# KiCad board yddraig68k.kicad_pcb (continued)
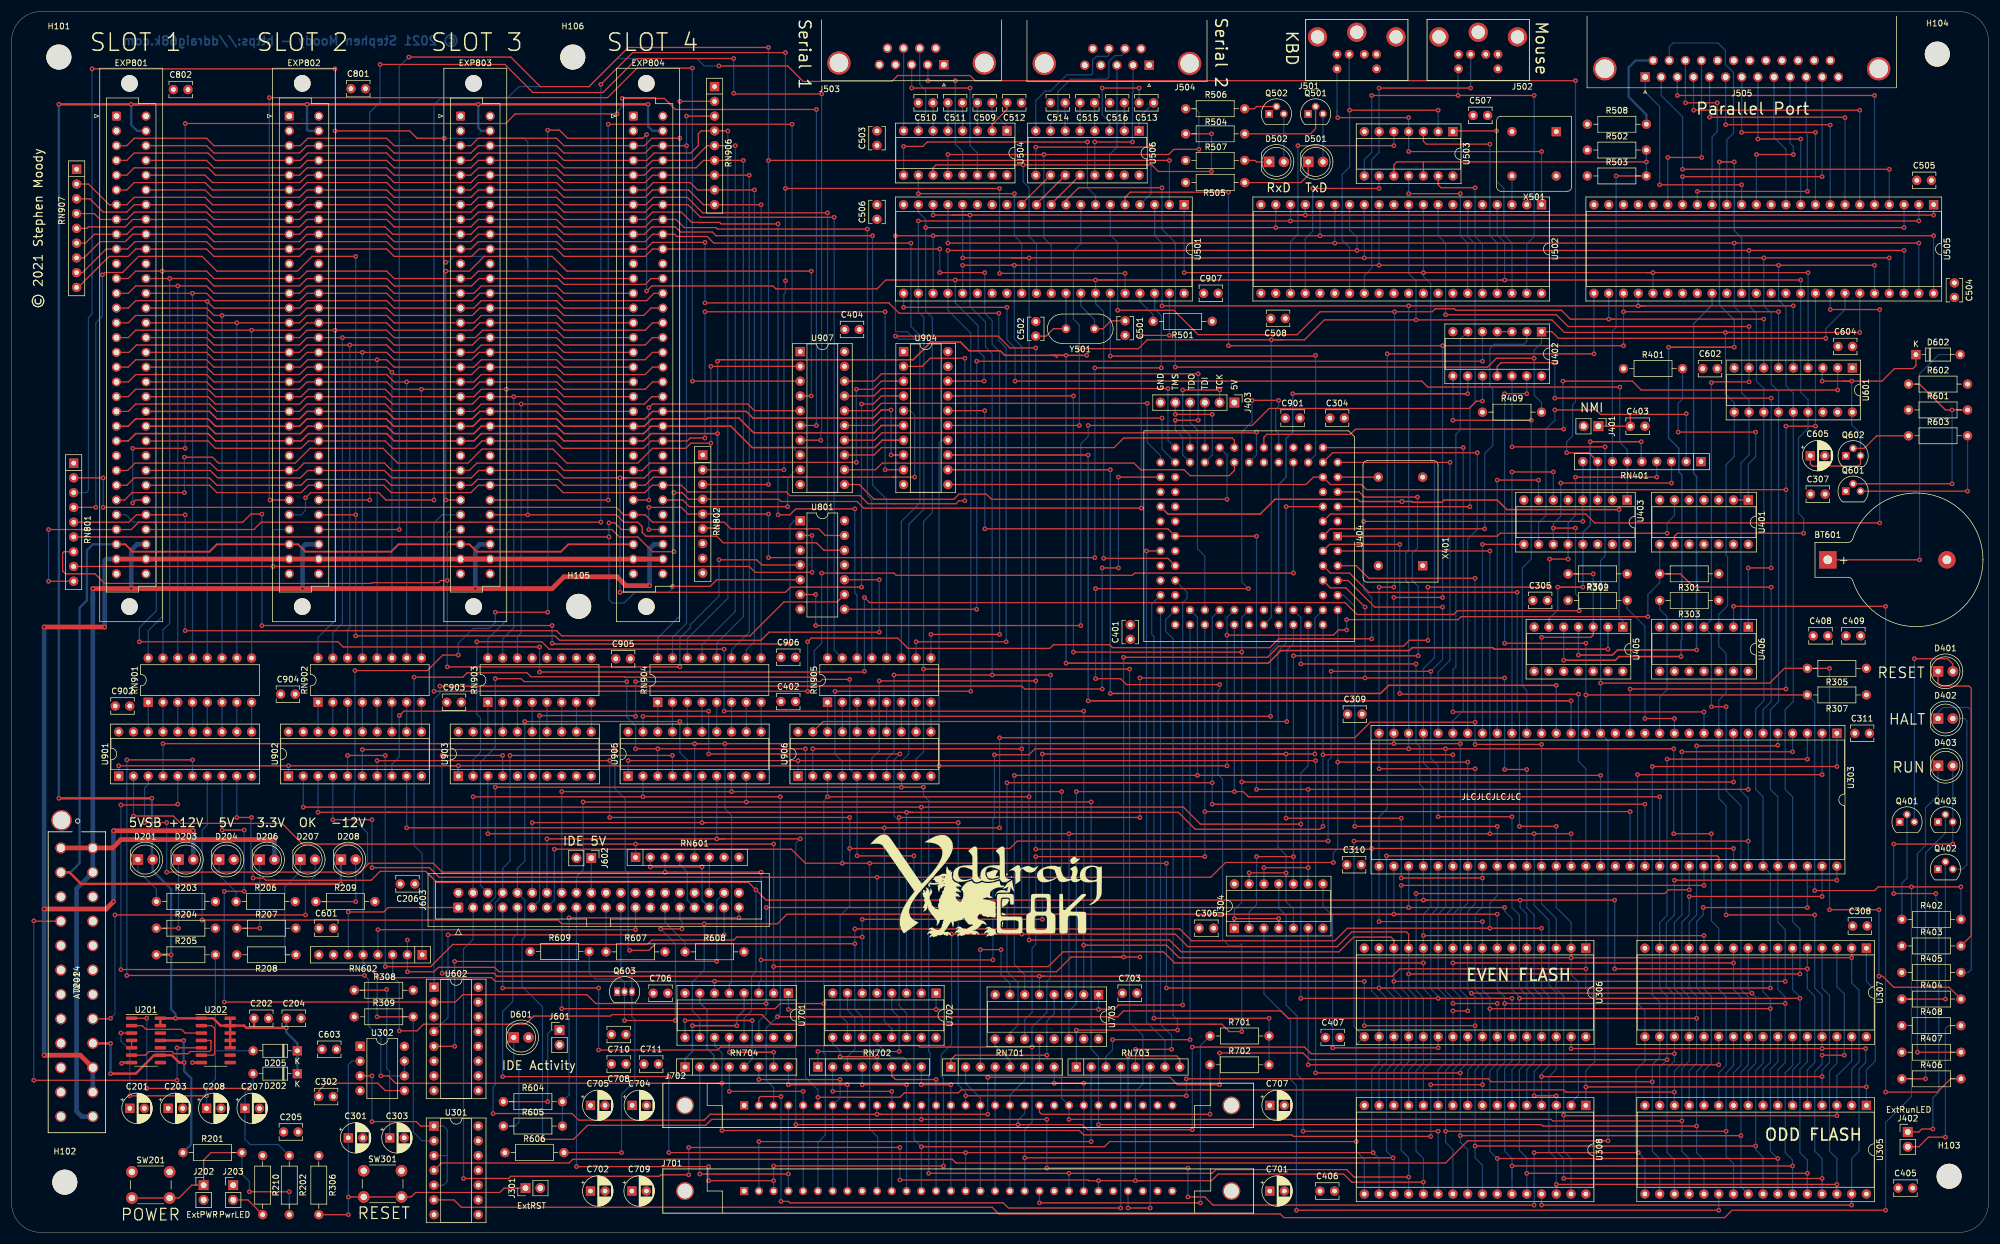
[diagram p0: board, top side]
## Routing (per net, layer and track width the routed paths; a pad name or vN(x,y) marks a point on that pad's centre or on a via; arc(x,y) is an arc through that point) (continued)
  Bottom w0.203: v1(202.31,6.1) v1(202.31,11.05) ; v1(279.65,78.74) 279.65,39.37 280.92,38.1 U307.17 280.92,29.46 279.4,27.94 279.4,14.1 v1(279.78,13.72) 280.92,12.57 U305.17 ; 261.87,8.13 v1(261.87,4.7) ; 261.87,8.13 v1(261.87,13.72) ; 261.87,8.13 261.87,8.38 ; v1(311.4,78.74) U303.2 ; v1(91.31,16) 91.31,38.78 87.8,42.3 87.8,50.3 88.27,50.77 88.27,57.15 J603.10 87,62.61 88.27,63.88 v1(88.27,87.88) ; v1(178.05,19.43) 178.05,11.05 v1(178.05,11.05) ; U905.5 116.21,81.28 114.94,82.55 v1(114.94,87.88) ; J702.13 v1(156.46,19.43)
/CPU, RAM and ROM/D4: length 377.5
  Top w0.203: 119.38,70.49 v1(162.81,70.49) ; 119.38,70.49 v1(89.53,70.49) ; 119.38,70.49 v1(118.75,70.49) ; v1(164.08,23.5) v1(202.06,23.5) ; v1(282.19,80.14) v1(313.94,80.14) ; v1(202.06,26.42) 254,26.42 254.51,25.91 v1(282.19,25.91)
  Bottom w0.203: 164.08,22.99 164.08,24.13 162.81,25.4 v1(162.81,70.49) ; 164.08,22.99 v1(164.08,23.5) ; 164.08,22.99 J702.16 ; U305.18 283.46,12.7 282.19,13.97 v1(282.19,25.91) 282.19,28.83 283.46,30.1 U307.18 283.46,39.62 282.19,40.89 v1(282.19,80.14) ; v1(202.06,23.5) v1(202.06,26.42) ; v1(89.53,70.49) J603.12 ; U905.6 v1(118.75,70.49) ; v1(313.94,80.14) U303.1
/CPU, RAM and ROM/D5: length 372.5
  Top w0.203: v1(121.28,67.69) 122.56,67.69 ; 122.56,67.69 v1(92.08,67.69) ; 122.56,67.69 v1(135.64,67.69) ; 174.12,18.54 v1(173.1,18.54) 173.1,18.54 ; 174.12,18.54 v1(134.87,18.54) ; 174.12,18.54 184.15,18.54 185.04,17.65 v1(203.07,17.65) ; v1(286,60.58) v1(313.94,60.58) ; v1(203.07,31.88) 222.38,31.88 223.52,30.73 v1(286,30.73)
  Bottom w0.203: v1(313.94,60.58) U303.64 ; 121.28,78.49 v1(121.28,67.69) ; 286,30.1 U307.19 286,40.89 284.61,42.29 284.61,53.21 286,54.61 v1(286,60.58) ; 286,30.1 286,29.46 284.73,28.19 284.73,13.78 286,12.51 U305.19 ; 286,30.1 v1(286,30.73) ; v1(203.07,31.88) v1(203.07,17.65) ; J702.20 174.24,20.45 173.1,19.3 v1(173.1,18.54) ; J603.14 v1(92.08,67.69) ; v1(134.87,18.54) 134.87,66.93 v1(135.64,67.69)
/CPU, RAM and ROM/D6: length 352.7
  Top w0.203: 124.71,75.82 v1(123.83,75.82) ; 124.71,75.82 v1(94.62,75.82) ; 124.71,75.82 180.59,75.82 v1(180.59,75.82) ; v1(288.54,57.79) 311.4,57.79 v1(311.4,57.78) ; v1(181.86,19.43) 264.8,19.43 265.05,19.18 v1(287.27,19.18)
  Bottom w0.203: U305.20 288.54,12.7 287.27,13.97 287.27,17.15 ; v1(94.62,75.82) J603.16 ; 287.27,17.15 287.27,28.19 288.54,29.46 U307.20 288.54,40.51 287.27,41.78 287.27,53.34 288.54,54.61 v1(288.54,57.79) ; 287.27,17.15 v1(287.27,19.18) ; v1(311.4,57.78) 311.4,57.79 U303.63 ; v1(180.59,75.82) 180.59,23.11 J702.23 v1(181.86,19.43) ; U905.8 v1(123.83,75.82)
/CPU, RAM and ROM/D7: length 344.2
  Top w0.203: v1(186.94,18.54) 263.14,18.54 263.4,18.29 v1(289.81,18.29) ; v1(290.96,55.88) v1(308.86,55.88) ; v1(98.3,74.04) v1(126.36,74.04) v1(185.67,74.04)
  Bottom w0.203: v1(186.94,18.54) 186.94,20.96 ; v1(185.67,74.04) 185.67,31.5 186.94,30.23 186.94,20.96 ; v1(98.3,74.04) 98.3,62.36 97.16,61.21 J603.18 ; 186.94,20.96 J702.25 ; U905.9 v1(126.36,74.04) ; U305.21 291.08,12.45 289.81,13.72 v1(289.81,18.29) 289.81,27.69 291.08,28.96 U307.21 291.08,40.77 289.81,42.04 289.81,53.47 290.96,54.61 v1(290.96,55.88) ; v1(308.86,55.88) U303.62
/CPU, RAM and ROM/D8: length 793.3
  Top w0.203: v1(131.06,8.89) v1(119.89,8.89) ; 171.96,166.37 v1(172.47,166.37) ; 171.96,166.37 v1(235.2,166.37) v1(303.91,166.37) v1(320.42,166.37) ; 171.96,166.37 v1(163.58,166.37) ; U306.13 240.28,51.31 239.9,51.69 230.5,51.69 227.97,49.15 202.31,49.15 200.15,51.31 v1(173.74,51.31) v1(161.67,51.31) ; v1(131.06,11.43) v1(160.27,11.43) ; v1(137.8,83.19) v1(173.74,83.19) ; v1(119.89,11.31) v1(97.16,11.31) ; v1(240.28,44.45) v1(307.59,44.45)
  Bottom w0.203: v1(303.91,166.37) 303.91,160.4 305.18,159.13 305.18,145.67 306.45,144.4 306.45,141.1 ; v1(172.47,166.37) 172.47,153.67 173.74,152.4 v1(173.74,83.19) v1(173.74,51.31) ; U505.44 v1(320.42,166.37) ; 240.28,46.23 v1(240.28,44.45) ; 240.28,46.23 U306.13 ; 240.28,46.23 240.28,41.78 241.55,40.51 241.55,29.21 240.28,27.94 240.28,22.35 ; 306.32,141.1 306.45,140.97 306.45,91.31 305.05,89.92 305.05,76.2 306.32,74.93 U303.61 306.32,53.47 307.59,52.2 v1(307.59,44.45) ; v1(119.89,8.89) v1(119.89,11.31) ; J603.17 v1(97.16,11.31) ; v1(160.27,11.43) 160.27,26.54 159.89,26.92 159.89,30.61 161.67,32.38 v1(161.67,51.31) ; v1(131.06,11.43) v1(131.06,8.89) J701.3 ; 137.8,78.49 v1(137.8,83.19) ; U502.12 v1(235.2,166.37) ; v1(163.58,166.37) U501.25
/CPU, RAM and ROM/D9: length 764.2
  Top w0.203: U306.14 237.74,50.29 237.24,50.8 230.82,50.8 228.28,48.26 201.17,48.26 199.14,50.29 v1(175.01,50.29) ; v1(163.58,167.64) 172.09,167.64 ; 172.09,167.64 v1(175.01,167.64) ; 172.09,167.64 v1(232.66,167.64) v1(301.37,167.64) v1(322.96,167.64) ; v1(175.01,74.93) v1(140.34,74.93) ; v1(94.62,38.48) 131.32,38.48 132.21,39.37 v1(139.7,39.37) ; v1(237.74,43.18) v1(305.05,43.18)
  Bottom w0.203: U306.14 237.74,45.21 ; 237.74,45.21 v1(237.74,43.18) ; 237.74,45.21 237.74,41.78 239.01,40.51 239.01,29.21 237.74,27.94 237.74,22.35 ; J701.6 138.68,15.49 139.95,16.76 139.95,30.61 139.7,30.86 v1(139.7,39.37) 139.7,74.29 v1(140.34,74.93) U906.3 ; U601.13 303.91,144.65 302.64,145.92 302.64,158.12 301.37,159.38 v1(301.37,167.64) ; v1(94.62,38.48) J603.15 ; v1(163.58,167.64) U501.16 ; v1(175.01,50.29) v1(175.01,74.93) v1(175.01,167.64) ; U505.45 v1(322.96,167.64) ; U502.13 v1(232.66,167.64) ; v1(305.05,43.18) 305.05,52.07 303.78,53.34 U303.60 303.78,74.93 302.51,76.2 302.51,89.92 303.91,91.31 303.91,140.97 303.78,141.1
/CPU, RAM and ROM/D10: length 767.8
  Top w0.203: v1(198.63,42.04) v1(235.2,42.04) 302.39,42.04 302.51,41.91 v1(302.51,42.04) ; v1(198.63,63.5) v1(147.57,63.5) v1(142.88,63.5) 136.53,63.5 134.11,65.91 v1(93.34,65.91) ; v1(161.04,168.91) v1(231.39,168.91) v1(298.83,168.91) v1(325.5,168.91) ; v1(164.97,93.09) v1(141.6,93.09)
  Bottom w0.203: U601.12 301.37,145.16 300.1,146.43 300.1,158.12 298.83,159.38 v1(298.83,168.91) ; 301.24,141.1 301.37,140.97 301.37,91.44 299.97,90.04 299.97,76.2 301.24,74.93 U303.59 302.51,61.72 v1(302.51,42.04) ; J701.10 148.97,7.11 148.97,16.38 147.57,17.78 147.57,27.94 147.58,27.96 147.58,63.49 v1(147.57,63.5) ; v1(142.88,63.5) U906.4 142.88,81.03 141.6,82.3 v1(141.6,93.09) ; 235.2,22.35 235.2,27.94 236.47,29.21 236.47,40.39 235.2,41.66 v1(235.2,42.04) U306.15 ; v1(161.04,168.91) U501.24 161.04,158.62 164.97,154.69 v1(164.97,93.09) ; v1(93.34,65.91) 93.34,57.15 J603.13 ; 325.5,161.54 v1(325.5,168.91) ; v1(231.39,168.91) 231.39,171.2 230.12,172.47 U502.14 ; v1(198.63,63.5) v1(198.63,42.04)
/CPU, RAM and ROM/D11: length 695.2
  Top w0.203: v1(161.04,170.18) v1(227.58,170.18) v1(296.29,170.18) v1(328.04,170.18) ; v1(156.46,14.73) 187.96,14.73 188.85,15.62 v1(231.27,15.62) ; v1(144.15,95.12) 139.45,95.12 139.06,94.74 v1(107.31,94.74) ; v1(107.31,88.77) 107.19,88.9 v1(90.81,88.9) ; v1(155.19,64.77) v1(145.41,64.77) ; v1(298.7,67.31) v1(230.89,67.31)
  Bottom w0.203: v1(161.04,170.18) U501.17 ; v1(144.15,95.12) 144.15,79.76 U906.5 145.41,64.77 v1(145.41,64.77) ; v1(230.89,67.31) 230.89,35.43 U306.17 231.27,32.26 v1(231.27,15.62) 231.27,13.97 232.66,12.57 232.66,7.11 ; U505.47 v1(328.04,170.18) ; v1(90.81,88.9) 90.81,57.15 J603.11 ; v1(107.31,88.77) v1(107.31,94.74) ; U303.58 v1(298.7,67.31) 298.7,74.68 297.43,75.95 297.43,132.33 298.83,133.73 298.83,140.97 298.7,141.1 ; J701.13 v1(156.46,14.73) 155.19,16 v1(155.19,64.77) ; U601.11 298.83,143.13 297.56,144.4 297.56,157.99 296.29,159.26 v1(296.29,170.18) ; U502.15 v1(227.58,170.18)
/CPU, RAM and ROM/D12: length 767.5
  Top w0.203: 159.26,171.45 v1(158.5,171.45) ; 159.26,171.45 v1(152.02,171.45) ; 159.26,171.45 v1(330.58,171.45) ; v1(176.15,94.87) v1(149.22,94.87) ; v1(113.03,13.72) v1(164.08,13.72) v1(234.19,13.72) ; v1(296.16,66.04) v1(233.93,66.04) 233.93,65.91 v1(176.15,65.91) ; v1(84.46,26.8) v1(113.03,26.8) ; v1(152.02,154.18) 169.67,154.18 171.7,152.15 v1(176.15,152.15)
  Bottom w0.203: 147.96,78.49 147.96,81.53 149.22,82.8 v1(149.22,94.87) ; v1(113.03,26.8) v1(113.03,13.72) ; v1(152.02,154.18) 152.53,153.67 155.32,153.67 154.05,154.94 152.02,154.94 v1(152.02,171.45) ; v1(296.16,66.04) U303.57 ; 234.57,13.34 233.93,13.97 233.93,27.94 235.2,29.21 U306.18 235.2,40.26 233.93,41.53 233.93,65.53 ; 234.57,13.34 235.2,12.7 235.2,7.11 ; 234.57,13.34 v1(234.19,13.72) ; J701.16 v1(164.08,13.72) ; v1(84.46,26.8) 84.46,37.97 86.19,39.71 86.19,50.59 87,51.4 J603.9 ; 233.93,65.53 v1(233.93,66.04) ; 233.93,65.53 233.93,65.91 ; v1(176.15,65.91) v1(176.15,94.87) v1(176.15,152.15) ; U502.16 v1(225.04,171.45) ; v1(158.5,171.45) U501.23 ; U505.48 v1(330.58,171.45)
/CPU, RAM and ROM/D13: length 698.2
  Top w0.203: v1(174.24,12.83) v1(237.62,12.83) ; v1(151.77,95.88) v1(168.66,95.88) v1(178.69,95.88) ; 221.36,175.01 v1(222.5,175.01) ; 221.36,175.01 161.8,175.01 ; 221.36,175.01 v1(330.58,175.01) ; U303.56 293.62,64.52 293.37,64.77 v1(236.47,64.77) ; 161.8,175.01 v1(158.5,175.01) ; 161.8,175.01 v1(164.85,175.01) ; v1(84.46,42.04) v1(100.97,42.04) ; v1(100.97,31.37) 121.41,31.37 121.92,31.88 134.75,31.88 135,32.13 155.96,32.13 156.21,31.88 v1(175.51,31.88)
  Bottom w0.203: v1(168.66,95.88) 168.66,151.13 167.51,152.27 167.51,156.59 164.85,159.26 v1(164.85,175.01) ; v1(100.97,42.04) v1(100.97,31.37) ; J701.20 174.24,9.78 ; 174.24,9.78 v1(174.24,12.83) ; 174.24,9.78 174.24,17.65 175.51,18.92 v1(175.51,31.88) 175.51,35.31 178.05,37.85 178.05,43.18 178.69,43.81 v1(178.69,95.88) ; U505.1 v1(330.58,175.01) ; v1(236.47,64.77) 236.47,41.78 237.74,40.51 U306.19 237.74,29.15 236.47,27.88 236.47,13.97 v1(237.62,12.83) 237.74,12.7 237.74,7.11 ; v1(222.5,175.01) U502.17 ; U906.7 150.5,81.41 151.77,82.68 v1(151.77,95.88) ; J603.7 v1(84.46,42.04) ; v1(158.5,175.01) U501.18
/CPU, RAM and ROM/D14: length 634.9
  Top w0.203: v1(291.08,59.69) v1(239.01,59.69) ; v1(156.84,76.58) v1(153.03,76.58) v1(83.19,76.58) ; v1(240.28,9.53) 230.89,9.53 229.62,10.79 207.14,10.79 206.5,10.16 v1(181.86,10.16) v1(157.73,10.16) ; v1(155.96,173.99) v1(219.96,173.99) v1(328.04,173.99)
  Bottom w0.203: v1(156.84,76.58) 156.84,75.18 157.73,74.29 157.73,31.12 157.99,30.86 157.99,27.18 157.73,26.92 v1(157.73,10.16) ; U505.2 v1(328.04,173.99) ; v1(83.19,76.58) 83.19,57.66 81.91,56.39 J603.5 ; U502.18 v1(219.96,173.99) ; J701.23 v1(181.86,10.16) ; U303.55 v1(291.08,59.69) ; 240.28,7.11 v1(240.28,9.53) 240.28,12.83 239.01,14.1 239.01,28.07 240.28,29.34 U306.20 240.28,40.64 239.01,41.91 v1(239.01,59.69) ; v1(155.96,173.99) U501.22 155.96,158.37 156.9,157.43 156.9,124.39 154.31,121.79 154.31,82.3 153.03,81.03 U906.8 v1(153.03,76.58)
/CPU, RAM and ROM/D15: length 732.8
  Top w0.203: 283.85,58.29 284.35,58.29 284.99,58.93 v1(288.54,58.93) ; 283.85,58.29 283.97,58.29 ; 283.85,58.29 v1(241.55,58.29) ; 194.56,8.89 206.38,8.89 207.52,10.03 229.11,10.03 230.5,8.64 v1(242.82,8.64) ; 194.56,8.89 v1(193.29,8.89) ; 194.56,8.89 v1(186.94,8.89) 185.29,8.89 185.17,9.02 v1(152.78,9.02) ; v1(116.46,14.6) v1(152.78,14.6) ; v1(157.23,172.85) v1(217.42,172.85) v1(325.5,172.85) ; v1(116.46,9.91) 111.63,9.91 111.38,9.65 85.85,9.65 85.47,9.27 v1(77.72,9.27) ; v1(156.84,96.9) v1(192.28,96.9)
  Bottom w0.203: v1(192.28,96.9) 192.28,36.19 194.56,33.91 194.56,25.53 193.29,24.26 v1(193.29,8.89) ; 242.82,7.11 v1(242.82,8.64) 242.82,12.7 241.55,13.97 241.55,27.81 242.82,29.08 U306.21 242.82,40.39 241.57,41.64 241.57,58.27 v1(241.55,58.29) ; 155.58,78.49 155.58,81.41 156.84,82.68 v1(156.84,96.9) 156.84,122.3 158.37,123.82 158.37,157.35 157.23,158.5 v1(157.23,172.85) 157.23,174.24 155.96,175.51 U501.19 ; 325.5,176.78 v1(325.5,172.85) ; U303.54 v1(288.54,58.93) ; v1(152.78,14.6) v1(152.78,9.02) ; v1(77.72,9.27) 77.72,48.77 79.38,50.42 J603.3 ; J701.25 v1(186.94,8.89) ; v1(116.46,9.91) v1(116.46,14.6) ; U502.19 v1(217.42,172.85)
/CPU, RAM and ROM/E: length 152
  Top w0.25: v1(265.68,94.11) 236.86,94.11 235.46,92.71 v1(188.98,92.71) ; U904.12 v1(188.98,131.19)
  Bottom w0.25: v1(188.98,131.19) v1(188.98,92.71) ; v1(265.68,94.11) U303.20
/CPU, RAM and ROM/FC0: length 66.8
  Top w0.203: v1(247.4,132.46) U404.11
  Bottom w0.203: U303.28 245.36,96.39 247.4,98.43 v1(247.4,132.46)
/CPU, RAM and ROM/FC1: length 74
  Top w0.203: U404.12 v1(249.68,135)
  Bottom w0.203: v1(249.68,135) 249.68,89.79 247.9,88.01 U303.27
/CPU, RAM and ROM/FC2: length 76.2
  Top w0.203: U404.13 227.2,134.11 v1(252.1,134.11)
  Bottom w0.203: v1(252.1,134.11) 252.1,120.9 250.44,119.25 U303.26
/CPU, RAM and ROM/RD~{WR}: length 557.4
  Top w0.203: U904.15 v1(183.64,138.81) ; v1(316.48,4.7) v1(263.14,4.7) ; v1(294.77,154.81) 296.55,154.81 ; 296.55,154.81 v1(317.88,154.81) ; 296.55,154.81 267.08,154.81 264.92,156.97 v1(241.55,156.97) 225.81,156.97 222.38,153.54 218.57,153.54 ; v1(318.9,31.62) v1(311.4,31.62) v1(268.22,31.62) ; v1(216.66,153.54) 218.57,153.54 ; 218.57,153.54 195.33,153.54 193.8,152.02 v1(183.64,152.02) ; v1(310.13,54.61) v1(294.89,54.61)
  Bottom w0.203: v1(294.77,154.81) 294.77,144.27 296.29,142.75 U601.10 296.29,133.48 294.89,132.08 294.89,116.46 295.15,116.21 295.15,107.82 293.62,106.3 U406.3 293.62,100.84 294.89,99.57 294.89,92.84 293.62,91.57 U303.9 293.62,74.68 294.89,73.41 v1(294.89,54.61) ; U404.66 216.66,105.79 v1(216.66,153.54) ; v1(311.4,31.62) U307.29 311.4,40.77 310.13,42.04 v1(310.13,54.61) ; v1(241.55,156.97) 241.55,163.7 240.28,164.97 U502.10 ; v1(316.48,4.7) U305.31 316.48,12.7 317.75,13.97 317.75,28.07 318.9,29.21 v1(318.9,31.62) ; U501.8 183.9,170.05 182.63,168.78 182.63,157.1 183.64,156.08 v1(183.64,152.02) v1(183.64,138.81) ; v1(263.14,4.7) U308.29 ; v1(317.88,154.81) U505.43 ; U306.31 v1(268.22,31.62)
/CPU, RAM and ROM/RESET: length 37.2
  Top w0.203: v1(61.98,19.05) 69.6,19.05 70.36,18.29 U301.1 ; v1(61.98,26.92) U302.3
  Bottom w0.203: 74.93,13.34 74.93,8.76 74.3,8.13 U301.5 ; 74.93,13.34 74.93,17.65 74.3,18.29 U301.1 ; 74.93,13.34 74.8,13.21 U301.3 ; v1(61.98,19.05) v1(61.98,26.92)
/CPU, RAM and ROM/~{AS}: length 416.4
  Top w0.203: v1(302.64,111) 289.31,111 287.02,113.28 R301.2 ; v1(209.04,80.26) v1(159.51,80.26) 75.56,80.26 ; v1(229.62,105.41) 248.79,105.41 249.3,105.92 v1(281.43,105.92) ; v1(18.41,80.26) v1(47.62,80.26) 75.56,80.26 ; v1(229.62,103.63) 228.22,103.63 227.33,102.74 v1(209.04,102.74) ; 75.56,80.26 v1(76.84,80.26)
  Bottom w0.203: v1(18.41,80.26) U901.1 ; 209.04,103.38 209.04,105.79 U404.63 ; 209.04,103.38 v1(209.04,102.74) ; 209.04,103.38 v1(209.04,80.26) ; v1(159.51,80.26) 159.51,135.89 159.89,136.27 U904.14 ; v1(302.64,111) 302.64,91.31 301.24,89.92 U303.6 ; U903.1 v1(76.84,80.26) ; U401.8 R301.2 283.46,111.76 281.43,109.73 v1(281.43,105.92) ; v1(229.62,103.63) v1(229.62,105.41) ; U902.1 v1(47.62,80.26)
/CPU, RAM and ROM/~{BERR}: length 75.9
  Top w0.203: v1(261.37,139.7) v1(247.9,139.7)
  Bottom w0.203: v1(261.37,139.7) 261.37,115.82 259.84,114.3 259.84,93.98 260.6,93.22 U303.22 ; v1(247.9,139.7) U402.8
/CPU, RAM and ROM/~{CPU_RESET}: length 492.4
  Top w0.203: R307.2 v1(270.76,92.46) ; v1(335.28,59.44) v1(326.77,59.44) 321.06,59.44 320.42,58.8 v1(310.13,58.8) ; U301.6 76.07,5.59 77.34,4.32 168.66,4.32 169.8,3.18 218.19,3.18 218.82,2.54 294.64,2.54 295.91,3.81 v1(322.33,3.81) ; v1(270.76,101.35) v1(256.79,101.35) ; v1(256.79,144.27) v1(260.6,144.27)
  Bottom w0.203: v1(260.6,144.27) U402.13 ; v1(270.76,92.46) 270.76,92.58 270.76,91.82 ; v1(326.77,59.44) 326.77,23.37 322.33,18.92 v1(322.33,3.81) ; v1(310.13,58.8) 310.13,91.19 R307.2 ; 270.76,91.82 U303.18 ; 270.76,91.82 v1(270.76,101.35) ; v1(335.28,59.44) R402.2 ; v1(256.79,101.35) v1(256.79,144.27)
/CPU, RAM and ROM/~{CS_ROM}: length 122.1
  Top w0.203: U404.7 231.77,127.38 232.66,126.49 v1(241.81,126.49) ; v1(220.47,99.19) v1(241.94,99.19) ; v1(214.12,64.64) v1(220.47,64.64)
  Bottom w0.203: v1(220.47,99.19) v1(220.47,64.64) U304.10 ; U304.2 212.85,55.12 214.12,56.39 v1(214.12,64.64) ; v1(241.81,126.49) 241.81,117.73 240.92,116.84 240.92,112.14 241.94,111.12 v1(241.94,99.19)
/CPU, RAM and ROM/~{CS_SRAM}: length 88.8
  Top w0.203: v1(212.85,61.85) v1(219.2,61.85) ; U404.6 v1(219.2,124.84)
  Bottom w0.203: U304.5 220.47,55.63 219.2,56.9 v1(219.2,61.85) 219.2,64.9 217.81,66.29 217.81,99.95 219.2,101.35 v1(219.2,124.84) ; U304.13 v1(212.85,61.85)
/CPU, RAM and ROM/~{DTACK}: length 113.3
  Top w0.203: v1(291.08,89.53) v1(247.9,89.53)
  Bottom w0.203: v1(247.9,89.53) 247.9,96.77 248.41,97.28 248.41,137.29 249.17,138.05 249.17,153.67 U402.6 ; v1(291.08,89.53) U303.10
/CPU, RAM and ROM/~{HALT}: length 471.5
  Top w0.203: R404.2 333.25,42.16 323.72,42.16 321.82,44.07 v1(321.18,44.07) ; U301.4 73.91,11.94 95.88,11.94 96.52,12.57 161.8,12.57 162.43,11.94 246.63,11.94 250.44,15.75 v1(274.57,15.75) ; v1(312.67,97.03) R305.2 304.93,97.03 302.39,94.49 v1(273.3,94.49) ; v1(258.06,135.13) v1(274.07,135.13) ; v1(321.18,55.5) v1(312.67,55.5)
  Bottom w0.203: 273.3,93.6 273.3,115.57 274.07,116.33 v1(274.07,135.13) ; 273.3,93.6 U303.17 274.57,84.58 v1(274.57,15.75) ; 273.3,93.6 v1(273.3,94.49) ; v1(321.18,55.5) v1(321.18,44.07) ; v1(312.67,55.5) v1(312.67,97.03) ; v1(258.06,135.13) U402.12
/CPU, RAM and ROM/~{IPL0}: length 39.6
  Top w0.203: v1(252.98,118.36) U403.9
  Bottom w0.203: U303.25 v1(252.98,118.36)
/CPU, RAM and ROM/~{IPL1}: length 54.1
  Top w0.203: v1(255.52,129.41) v1(262.64,129.41)
  Bottom w0.203: v1(262.64,129.41) U403.7 ; U303.24 v1(255.52,129.41)
/CPU, RAM and ROM/~{IPL2}: length 56.9
  Top w0.203: v1(265.18,130.81) v1(258.06,130.81)
  Bottom w0.203: v1(258.06,130.81) U303.23 ; v1(265.18,130.81) U403.6
/CPU, RAM and ROM/~{LDS}: length 252.6
  Top w0.203: 161.04,143.89 v1(182.63,143.89) ; v1(217.93,53.97) v1(210.31,53.97) ; v1(182.63,99.82) v1(211.58,99.82) ; v1(296.16,77.47) v1(211.58,77.47)
  Bottom w0.203: U404.65 211.58,105.79 v1(211.58,99.82) v1(211.58,77.47) 211.58,56.77 210.31,55.5 v1(210.31,53.97) U304.1 ; v1(182.63,143.89) v1(182.63,99.82) ; U304.4 v1(217.93,53.97) ; U303.8 v1(296.16,77.47)
/CPU, RAM and ROM/~{RD}WR: length 512.6
  Top w0.203: v1(246.63,157.86) 265.68,157.86 267.72,155.83 v1(298.83,155.83) ; v1(224.28,81.15) v1(135.25,81.15) v1(106.05,81.15) ; v1(292.35,146.18) 292.48,146.3 v1(298.83,146.3) ; v1(294.89,90.42) v1(292.35,90.42) ; v1(224.28,27.43) v1(249.17,27.43) ; v1(297.43,16.64) v1(249.17,16.64)
  Bottom w0.203: v1(224.28,81.15) v1(224.28,27.43) ; v1(292.35,146.18) 292.35,105.41 U406.4 ; U406.4 292.35,102.87 v1(292.35,90.42) ; U406.4 291.21,104.01 ; v1(298.83,155.83) U601.8 v1(298.83,146.3) ; U906.1 v1(135.25,81.15) ; U305.24 297.43,7.87 v1(297.43,16.64) 297.43,27.56 298.7,28.83 U307.24 298.7,40.51 297.43,41.78 297.43,73.41 294.89,75.95 v1(294.89,90.42) ; U905.1 v1(106.05,81.15) ; 250.44,7.11 250.44,14.22 249.17,15.49 v1(249.17,16.64) v1(249.17,27.43) 249.17,27.94 250.44,29.21 U306.24 ; U502.8 245.36,171.45 246.63,170.18 v1(246.63,157.86)
/CPU, RAM and ROM/~{RESET}: length 633
  Top w0.203: U401.9 286,119.76 286.51,120.27 v1(308.23,120.27) ; v1(109.22,188.85) 108.59,188.21 107.95,188.21 ; 189.36,163.83 v1(186.44,163.83) ; 189.36,163.83 v1(162.31,163.83) 150.37,163.83 148.84,162.31 131.44,162.31 130.94,162.81 110.11,162.81 v1(109.22,161.93) ; 189.36,163.83 256.03,163.83 ; v1(92.2,189.61) 94.23,189.61 95.63,188.21 107.95,188.21 ; v1(92.2,106.68) v1(83.19,106.68) ; v1(167.26,146.43) U904.18 ; v1(62.87,37.08) R309.2 ; 256.03,163.83 v1(307.72,163.83) ; 256.03,163.83 v1(256.79,163.83) ; U404.48 198.88,115.95 v1(187.83,115.95) ; 107.95,188.21 108.46,188.21 ; v1(59.05,96.65) 71.5,96.65 74.17,99.31 v1(76.84,99.31)
  Bottom w0.203: v1(256.79,163.83) 256.79,170.31 255.52,171.58 U502.4 ; v1(109.22,188.85) v1(109.22,161.93) ; 186.56,159.64 186.82,159.38 ; 186.82,159.38 186.44,159.77 U501.34 v1(186.44,163.83) ; 186.82,159.38 187.83,158.37 v1(187.83,115.95) ; U301.2 70.61,15.75 69.09,17.27 R309.2 ; v1(62.87,37.08) 62.87,44.07 60.45,46.48 RN602.5 60.45,62.87 61.21,63.63 61.21,68.71 58.93,70.99 58.93,76.2 59.05,76.33 v1(59.05,96.65) ; v1(308.23,120.27) 308.23,122.81 307.34,123.7 307.34,136.65 308.99,138.3 U601.15 308.99,143.26 307.72,144.53 U505.39 v1(307.72,163.83) ; v1(76.84,99.31) 76.84,101.35 79.38,103.89 82.17,103.89 83.19,104.9 v1(83.19,106.68) ; v1(92.2,106.68) v1(92.2,189.61) ; v1(167.26,146.43) 167.26,150.62 166.24,151.64 166.24,155.96 162.31,159.89 v1(162.31,163.83)
/CPU, RAM and ROM/~{UDS}: length 238.9
  Top w0.203: v1(215.39,62.74) v1(223.01,62.74) ; v1(214.12,119.76) U404.44 198.88,121.03 v1(167.39,121.03) ; v1(298.7,76.2) v1(223.01,76.2) v1(214.12,76.2) ; v1(167.39,141.35) U904.16
  Bottom w0.203: v1(223.01,76.2) 223.01,62.23 ; 223.01,62.23 U304.9 ; 223.01,62.23 v1(223.01,62.74) ; v1(214.12,76.2) v1(214.12,119.76) ; v1(167.39,121.03) v1(167.39,141.35) ; U303.7 v1(298.7,76.2) ; U304.12 v1(215.39,62.74)
/CPU, RAM and ROM/~{VMA}: length 155.1
  Top w0.25: v1(268.22,91.44) v1(185.17,91.44) ; U904.13 v1(185.17,133.73)
  Bottom w0.25: v1(185.17,133.73) v1(185.17,91.44) ; v1(268.22,91.44) U303.19
/CPU, RAM and ROM/~{VPA}: length 40.5
  Top w0.203: R302.2 v1(272.03,113.28) ; v1(263.14,102.36) 271.65,102.36 272.03,102.74 U405.3
  Bottom w0.203: 263.14,94.74 263.14,94.87 ; 263.14,94.74 U303.21 ; 263.14,94.74 v1(263.14,102.36) ; v1(272.03,113.28) U405.3
/Decode and Logic/BOOTROM: length 63.1
  Top w0.203: v1(284.73,120.27) 256.03,120.27 255.52,119.76 U404.1
  Bottom w0.203: v1(284.73,120.27) 284.73,122.05 286,123.32 U401.6
/Decode and Logic/~{CPLD_BERR}: length 71.7
  Top w0.25: 249.81,144.27 250.19,144.27 ; 249.81,144.27 v1(250.44,144.27) ; 249.81,144.27 v1(220.35,144.27)
  Bottom w0.25: v1(250.44,144.27) U402.9 ; U404.69 217.93,128.65 219.2,129.92 219.2,136.53 220.35,137.67 v1(220.35,144.27)
/Decode and Logic/~{CPLD_VPA}: length 103.4
  Top w0.25: 270,124.33 v1(276.48,124.33) ; 270,124.33 270.64,124.33 ; 270,124.33 257.18,124.33 255.52,125.98 246.38,125.98 246,125.6 240.92,125.6 240.79,125.73 238.38,125.73 ; U404.39 198.88,123.57 214.76,123.57 217.3,126.11 231.52,126.11 231.9,125.73 238.38,125.73 ; 238.38,125.73 v1(239.14,125.73)
  Bottom w0.25: U405.1 277.11,105.19 276.48,105.82 v1(276.48,124.33)
/Decode and Logic/~{CS_DUART}: length 65.1
  Top w0.203: v1(188.98,150.75) 224.16,150.75 v1(224.28,150.88)
  Bottom w0.203: U501.35 v1(188.98,150.75) ; v1(224.28,150.88) 224.28,133.73 U404.15
/Decode and Logic/~{CS_EXTDATA1}: length 77.2
  Top w0.203: v1(214.12,137.67) 214,137.54 149.67,137.54 148.4,136.27 U907.14
  Bottom w0.203: U404.23 214.12,133.73 v1(214.12,137.67)
/Decode and Logic/~{CS_EXTDATA2}: length 69.7
  Top w0.203: U907.13 148.34,133.73 149.61,135 189.61,135 191.26,136.65 209.93,136.65 210.31,136.27 U404.24
/Decode and Logic/~{CS_EXTDATA3}: length 70.2
  Top w0.203: U907.12 148.59,131.19 149.73,132.33 193.04,132.33 194.18,131.19 201.68,131.19 202.69,130.18 209.43,130.18 210.31,131.06 U404.25
/Decode and Logic/~{CS_EXTDATA4}: length 77
  Top w0.203: v1(209.04,126.11) 168.53,126.11 167.64,127 162.94,127 162.05,126.11 148.34,126.11 145.8,128.65 U907.11
  Bottom w0.203: U404.26 209.04,133.73 v1(209.04,126.11)
/Decode and Logic/~{CS_EXTREG1}: length 81.6
  Top w0.203: v1(204.09,139.7) v1(200.15,139.7) ; U907.18 148.34,146.43 149.61,147.7 v1(204.09,147.7)
  Bottom w0.203: v1(200.15,139.7) 200.15,138.05 201.42,136.78 201.42,133.73 U404.31 ; v1(204.09,147.7) v1(204.09,139.7)
/Decode and Logic/~{CS_EXTREG2}: length 66.8
  Top w0.203: v1(198.88,145.16) 149.61,145.16 148.34,143.89 143.26,143.89
  Bottom w0.203: v1(198.88,145.16) 198.88,136.27 U404.32
/Decode and Logic/~{CS_EXTREG3}: length 63.7
  Top w0.203: v1(195.33,142.62) 149.61,142.62 148.34,141.35 U907.16
  Bottom w0.203: v1(195.33,142.62) 195.33,135.89 197.61,133.6 U404.33
/Decode and Logic/~{CS_EXTREG4}: length 63.7
  Top w0.203: U907.15 148.21,138.81 149.48,140.08 v1(197.87,140.08)
  Bottom w0.203: U404.34 197.87,134.75 v1(197.87,140.08)
/Decode and Logic/~{CS_IDE}: length 212.8
  Top w0.203: v1(187.58,93.47) 174.24,93.47 173.74,93.98 v1(73.66,93.98) ; v1(190.37,129.92) U404.35 ; v1(187.58,114.3) v1(190.37,114.3)
  Bottom w0.203: v1(190.37,114.3) v1(190.37,129.92) ; U602.1 72.64,91.69 73.66,92.71 v1(73.66,93.98) ; v1(187.58,93.47) v1(187.58,114.3)
/Decode and Logic/~{CS_KBD}: length 75.6
  Top w0.203: v1(250.82,124.84) U404.5
  Bottom w0.203: U502.6 250.44,171.32 251.71,170.05 251.71,142.88 250.82,141.99 v1(250.82,124.84)
/Decode and Logic/~{CS_PIT}: length 144.9
  Top w0.203: v1(321.31,122.05) 272.29,122.05 270.76,123.57 226.82,123.57 U404.4 ; v1(321.31,158.75) v1(312.8,158.75)
  Bottom w0.203: v1(312.8,158.75) 312.8,161.54 ; v1(321.31,122.05) v1(321.31,158.75)
/Decode and Logic/~{CS_RTC}: length 113.9
  Top w0.203: v1(266.95,138.18) 231.14,138.18 230.25,137.29 215.9,137.29 215.39,136.78 U404.20 ; v1(314.07,144.91) 280.29,144.91 278.76,146.43 v1(266.83,146.43)
  Bottom w0.203: 314.07,148.72 v1(314.07,144.91) ; v1(266.83,146.43) 266.83,138.3 v1(266.95,138.18)
/Decode and Logic/~{DATCK_68K}: length 185.7
  Top w0.203: v1(261.87,150.37) 255.4,150.37 253.87,148.84 v1(200.15,148.84) ; v1(312.04,153.8) 266.06,153.8 264.92,154.94 U402.1 ; v1(197.87,179.7) 183.52,179.7 181.36,177.55 U501.9
  Bottom w0.203: U402.1 263.14,153.03 261.87,151.76 v1(261.87,150.37) 261.87,144.02 263.14,142.75 R409.2 ; v1(197.87,179.7) 197.87,172.59 200.16,170.3 200.16,148.85 v1(200.15,148.84) ; U505.42 315.34,158.75 312.04,155.45 v1(312.04,153.8)
